# Altium PCB 20240807_Carrier.PcbDoc (part 1 of 2)
Units mm, origin at the board's own origin, x right, y up, seen from the top; angles counter-clockwise.
Board outline 112 x 70 mm, 2 copper layers (Top Layer, Bottom Layer), stack 0.87 mm thick; 160 components, 68 nets, 478 pads, 471 vias.
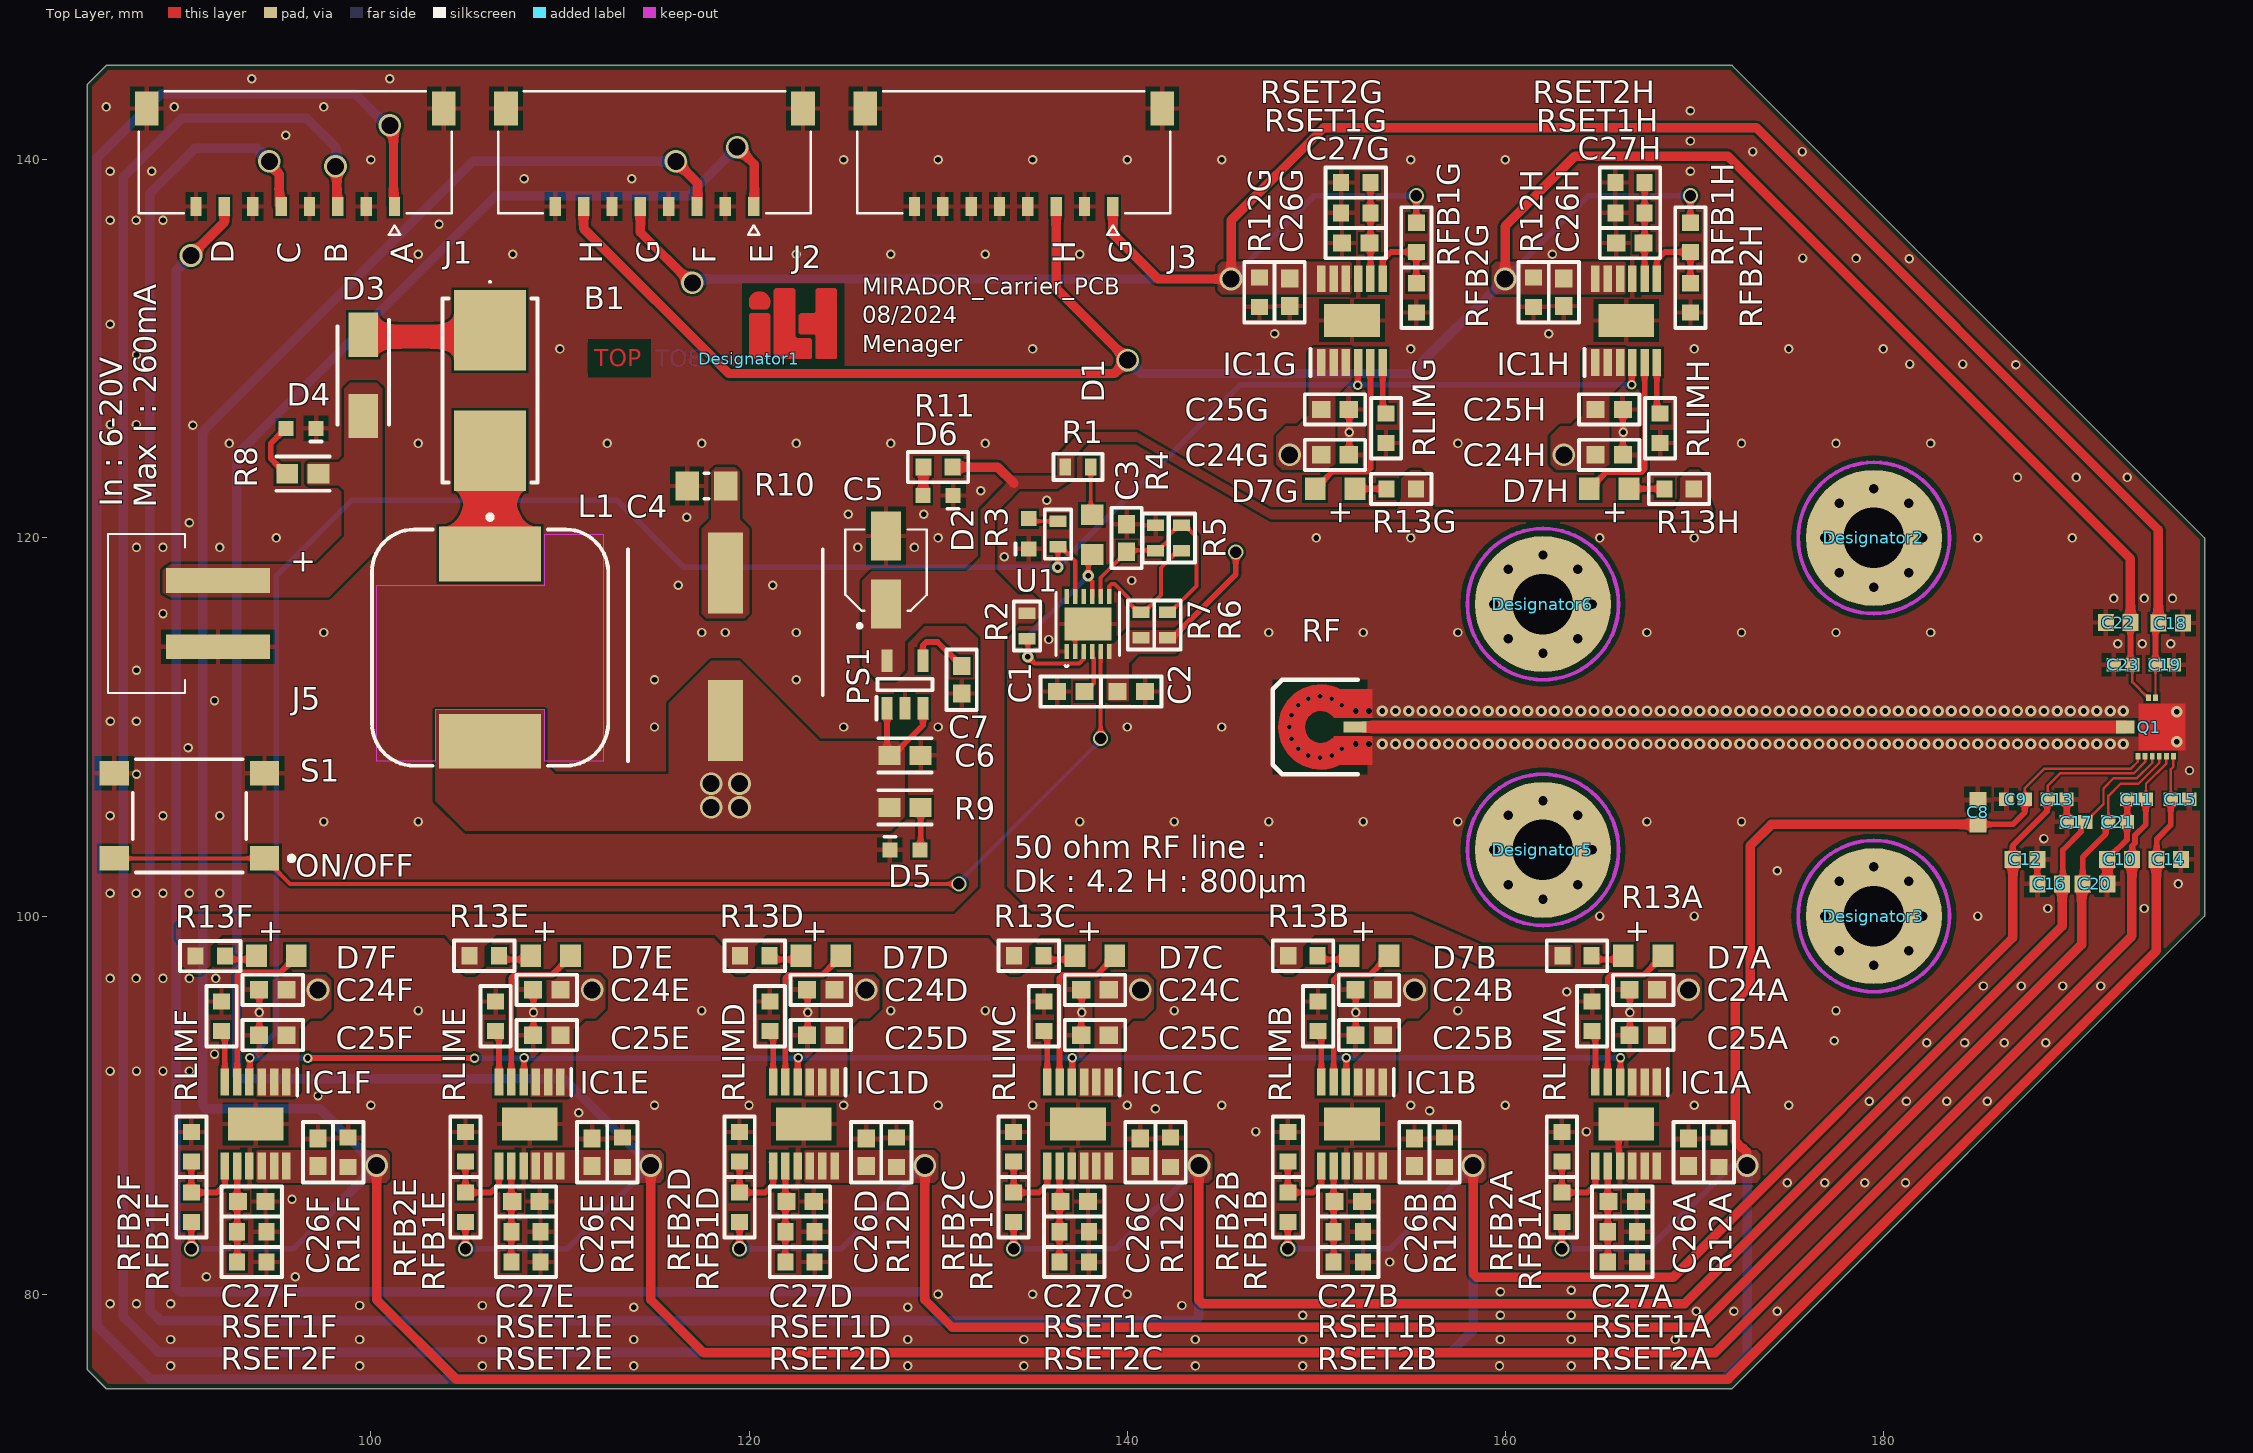
[diagram p0: Top Layer view]
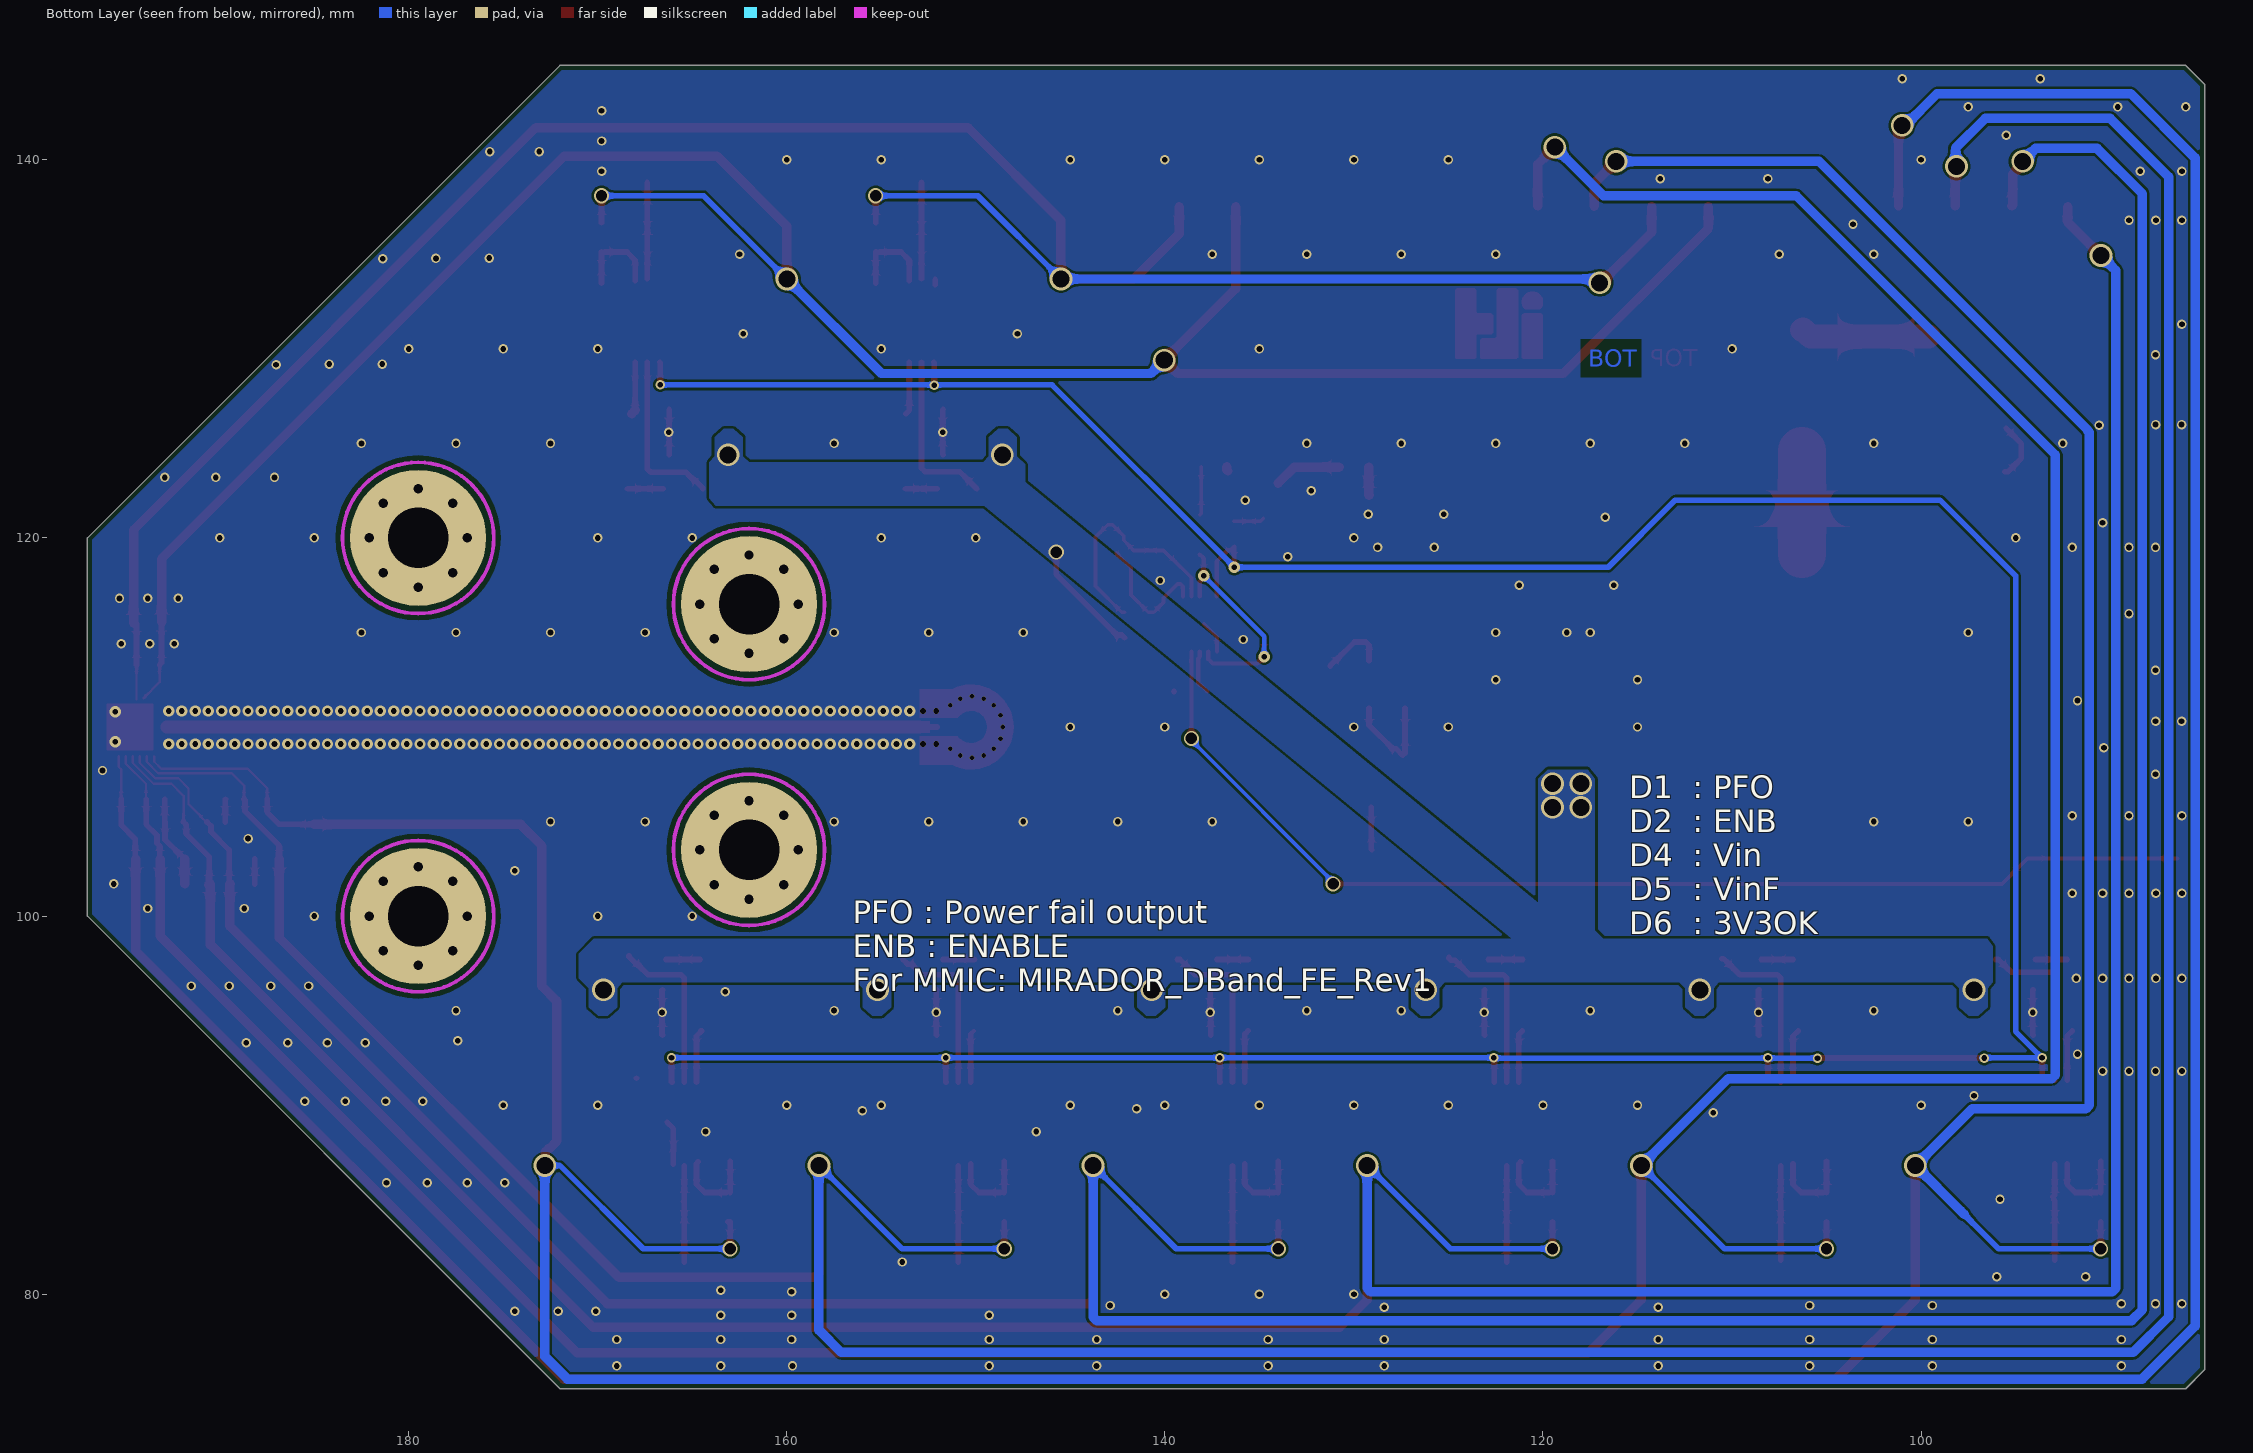
[diagram p1: Bottom Layer view, seen from below]
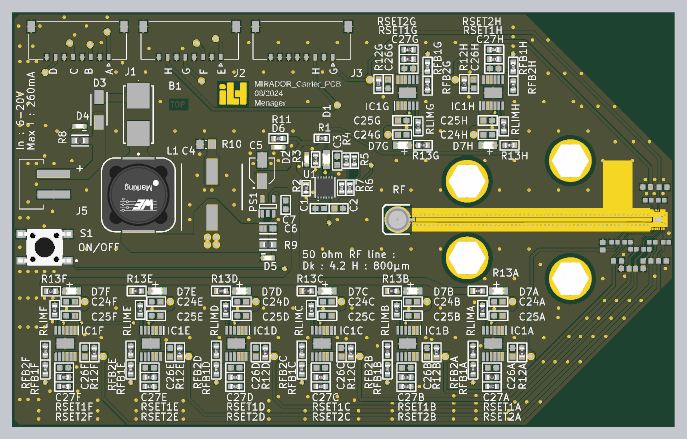
[diagram p3: 3D render of the assembled board from above, using the file's embedded part models]

## Layer stack, top to bottom
Top Solder: solder mask 0.0102, Solder Resist, Dk 3.5
Top Layer: signal copper 0.035
Dielectric 1: dielectric 0.8, FR-4, Dk 4.2
Bottom Layer: signal copper 0.035
Bottom Solder: solder mask 0.0102, Solder Resist, Dk 3.5

## Board outline
86,75 172,75 197,100 197,120 172,145 86,145 85,144 85,76

## Design rules (kind name [scope] priority, off if disabled: settings)
BoardOutlineClearance BoardOutlineClearance_1 [All] p1: gap=0.254 ignorepadtopadclearanceinfootprint=FALSE except(0: Arc-SplitContinuation Track-SplitContinuation SMDPad-SplitContinuation THPad-SplitContinuation Via-SplitContinuation Fill-SplitContinuation Poly-SplitContinuation Region-SplitContinuation Text-SplitContinuation)
Clearance Clearance_1 [InNet('J1-1') And OnMid vs OnMid] p1: gap=0.125 ignorepadtopadclearanceinfootprint=FALSE except(0.1: Arc-SMDPad Track-SMDPad SMDPad-SMDPad SMDPad-Text) sourcerule=78 cellrowname=J1-1 cellrowtype=1 cellcolname=All cellcoltype=0 innerlayers=TRUE
Clearance Clearance_2 [InNet('J1-1') And (ExistsOnLayer('Top Layer') Or ExistsOnLayer('Bottom Layer')) vs (ExistsOnLayer('Top Layer') Or ExistsOnLayer('Bottom Layer'))] p2: gap=0.125 ignorepadtopadclearanceinfootprint=FALSE except(0.1: Arc-SMDPad Track-SMDPad SMDPad-SMDPad SMDPad-Text) sourcerule=78 cellrowname=J1-1 cellrowtype=1 cellcolname=All cellcoltype=0 outerlayers=TRUE
Clearance Clearance_3 [InNet('J1-1')] p3: gap=0.254 ignorepadtopadclearanceinfootprint=FALSE sourcerule=78 cellrowname=J1-1 cellrowtype=1 cellcolname=All cellcoltype=0
Clearance Clearance_1 [InNet('J1-3') And OnMid vs OnMid] p4: gap=0.125 ignorepadtopadclearanceinfootprint=FALSE except(0.1: Arc-SMDPad Track-SMDPad SMDPad-SMDPad SMDPad-Text) sourcerule=78 cellrowname=J1-3 cellrowtype=1 cellcolname=All cellcoltype=0 innerlayers=TRUE
Clearance Clearance_2 [InNet('J1-3') And (ExistsOnLayer('Top Layer') Or ExistsOnLayer('Bottom Layer')) vs (ExistsOnLayer('Top Layer') Or ExistsOnLayer('Bottom Layer'))] p5: gap=0.125 ignorepadtopadclearanceinfootprint=FALSE except(0.1: Arc-SMDPad Track-SMDPad SMDPad-SMDPad SMDPad-Text) sourcerule=78 cellrowname=J1-3 cellrowtype=1 cellcolname=All cellcoltype=0 outerlayers=TRUE
Clearance Clearance_3 [InNet('J1-3')] p6: gap=0.254 ignorepadtopadclearanceinfootprint=FALSE sourcerule=78 cellrowname=J1-3 cellrowtype=1 cellcolname=All cellcoltype=0
Clearance Clearance_1 [InNet('J1-5') And OnMid vs OnMid] p7: gap=0.125 ignorepadtopadclearanceinfootprint=FALSE except(0.1: Arc-SMDPad Track-SMDPad SMDPad-SMDPad SMDPad-Text) sourcerule=78 cellrowname=J1-5 cellrowtype=1 cellcolname=All cellcoltype=0 innerlayers=TRUE
Clearance Clearance_2 [InNet('J1-5') And (ExistsOnLayer('Top Layer') Or ExistsOnLayer('Bottom Layer')) vs (ExistsOnLayer('Top Layer') Or ExistsOnLayer('Bottom Layer'))] p8: gap=0.125 ignorepadtopadclearanceinfootprint=FALSE except(0.1: Arc-SMDPad Track-SMDPad SMDPad-SMDPad SMDPad-Text) sourcerule=78 cellrowname=J1-5 cellrowtype=1 cellcolname=All cellcoltype=0 outerlayers=TRUE
Clearance Clearance_3 [InNet('J1-5')] p9: gap=0.254 ignorepadtopadclearanceinfootprint=FALSE sourcerule=78 cellrowname=J1-5 cellrowtype=1 cellcolname=All cellcoltype=0
Clearance Clearance_1 [InNet('J1-7') And OnMid vs OnMid] p10: gap=0.125 ignorepadtopadclearanceinfootprint=FALSE except(0.1: Arc-SMDPad Track-SMDPad SMDPad-SMDPad SMDPad-Text) sourcerule=78 cellrowname=J1-7 cellrowtype=1 cellcolname=All cellcoltype=0 innerlayers=TRUE
Clearance Clearance_2 [InNet('J1-7') And (ExistsOnLayer('Top Layer') Or ExistsOnLayer('Bottom Layer')) vs (ExistsOnLayer('Top Layer') Or ExistsOnLayer('Bottom Layer'))] p11: gap=0.125 ignorepadtopadclearanceinfootprint=FALSE except(0.1: Arc-SMDPad Track-SMDPad SMDPad-SMDPad SMDPad-Text) sourcerule=78 cellrowname=J1-7 cellrowtype=1 cellcolname=All cellcoltype=0 outerlayers=TRUE
Clearance Clearance_3 [InNet('J1-7')] p12: gap=0.254 ignorepadtopadclearanceinfootprint=FALSE sourcerule=78 cellrowname=J1-7 cellrowtype=1 cellcolname=All cellcoltype=0
Clearance Clearance_1 [InNet('J2-1') And OnMid vs OnMid] p13: gap=0.125 ignorepadtopadclearanceinfootprint=FALSE except(0.1: Arc-SMDPad Track-SMDPad SMDPad-SMDPad SMDPad-Text) sourcerule=78 cellrowname=J2-1 cellrowtype=1 cellcolname=All cellcoltype=0 innerlayers=TRUE
Clearance Clearance_2 [InNet('J2-1') And (ExistsOnLayer('Top Layer') Or ExistsOnLayer('Bottom Layer')) vs (ExistsOnLayer('Top Layer') Or ExistsOnLayer('Bottom Layer'))] p14: gap=0.125 ignorepadtopadclearanceinfootprint=FALSE except(0.1: Arc-SMDPad Track-SMDPad SMDPad-SMDPad SMDPad-Text) sourcerule=78 cellrowname=J2-1 cellrowtype=1 cellcolname=All cellcoltype=0 outerlayers=TRUE
Clearance Clearance_3 [InNet('J2-1')] p15: gap=0.254 ignorepadtopadclearanceinfootprint=FALSE sourcerule=78 cellrowname=J2-1 cellrowtype=1 cellcolname=All cellcoltype=0
Clearance Clearance_1 [InNet('J2-3') And OnMid vs OnMid] p16: gap=0.125 ignorepadtopadclearanceinfootprint=FALSE except(0.1: Arc-SMDPad Track-SMDPad SMDPad-SMDPad SMDPad-Text) sourcerule=78 cellrowname=J2-3 cellrowtype=1 cellcolname=All cellcoltype=0 innerlayers=TRUE
Clearance Clearance_2 [InNet('J2-3') And (ExistsOnLayer('Top Layer') Or ExistsOnLayer('Bottom Layer')) vs (ExistsOnLayer('Top Layer') Or ExistsOnLayer('Bottom Layer'))] p17: gap=0.125 ignorepadtopadclearanceinfootprint=FALSE except(0.1: Arc-SMDPad Track-SMDPad SMDPad-SMDPad SMDPad-Text) sourcerule=78 cellrowname=J2-3 cellrowtype=1 cellcolname=All cellcoltype=0 outerlayers=TRUE
Clearance Clearance_3 [InNet('J2-3')] p18: gap=0.254 ignorepadtopadclearanceinfootprint=FALSE sourcerule=78 cellrowname=J2-3 cellrowtype=1 cellcolname=All cellcoltype=0
Clearance Clearance_1 [InNet('J2-5') And OnMid vs OnMid] p19: gap=0.125 ignorepadtopadclearanceinfootprint=FALSE except(0.1: Arc-SMDPad Track-SMDPad SMDPad-SMDPad SMDPad-Text) sourcerule=78 cellrowname=J2-5 cellrowtype=1 cellcolname=All cellcoltype=0 innerlayers=TRUE
Clearance Clearance_2 [InNet('J2-5') And (ExistsOnLayer('Top Layer') Or ExistsOnLayer('Bottom Layer')) vs (ExistsOnLayer('Top Layer') Or ExistsOnLayer('Bottom Layer'))] p20: gap=0.125 ignorepadtopadclearanceinfootprint=FALSE except(0.1: Arc-SMDPad Track-SMDPad SMDPad-SMDPad SMDPad-Text) sourcerule=78 cellrowname=J2-5 cellrowtype=1 cellcolname=All cellcoltype=0 outerlayers=TRUE
Clearance Clearance_3 [InNet('J2-5')] p21: gap=0.254 ignorepadtopadclearanceinfootprint=FALSE sourcerule=78 cellrowname=J2-5 cellrowtype=1 cellcolname=All cellcoltype=0
Clearance Clearance_1 [InNet('J2-7') And OnMid vs OnMid] p22: gap=0.125 ignorepadtopadclearanceinfootprint=FALSE except(0.1: Arc-SMDPad Track-SMDPad SMDPad-SMDPad SMDPad-Text) sourcerule=78 cellrowname=J2-7 cellrowtype=1 cellcolname=All cellcoltype=0 innerlayers=TRUE
Clearance Clearance_2 [InNet('J2-7') And (ExistsOnLayer('Top Layer') Or ExistsOnLayer('Bottom Layer')) vs (ExistsOnLayer('Top Layer') Or ExistsOnLayer('Bottom Layer'))] p23: gap=0.125 ignorepadtopadclearanceinfootprint=FALSE except(0.1: Arc-SMDPad Track-SMDPad SMDPad-SMDPad SMDPad-Text) sourcerule=78 cellrowname=J2-7 cellrowtype=1 cellcolname=All cellcoltype=0 outerlayers=TRUE
Clearance Clearance_3 [InNet('J2-7')] p24: gap=0.254 ignorepadtopadclearanceinfootprint=FALSE sourcerule=78 cellrowname=J2-7 cellrowtype=1 cellcolname=All cellcoltype=0
Clearance Clearance_1 [OnMid vs OnMid] p25: gap=0.125 ignorepadtopadclearanceinfootprint=FALSE sourcerule=78 cellrowname=All cellrowtype=0 cellcolname=All cellcoltype=0 innerlayers=TRUE
Clearance Clearance_2 [(ExistsOnLayer('Top Layer') Or ExistsOnLayer('Bottom Layer')) vs (ExistsOnLayer('Top Layer') Or ExistsOnLayer('Bottom Layer'))] p26: gap=0.125 ignorepadtopadclearanceinfootprint=FALSE sourcerule=78 cellrowname=All cellrowtype=0 cellcolname=All cellcoltype=0 outerlayers=TRUE
Clearance [All] p27: gap=0.254 ignorepadtopadclearanceinfootprint=FALSE ismatrix=TRUE miname0=J2-3 mitype0=1 miname1=J1-5 mitype1=1 miname2=J1-3 mitype2=1 miname3=J1-1 mitype3=1 miname4=J2-1 mitype4=1 miname5=J2-7 mitype5=1 miname6=J2-5 mitype6=1 miname7=J1-7 mitype7=1
ComponentClearance [All] p1: gap=0.2 collisioncheckmode=3 verticalgap=0.254 showdistances=FALSE
DiffPairsRouting [All] p1: maxlimit=0.254 minlimit=0.2 mostfreqgap=0.254 toplayer_minwidth=0.381 toplayer_maxwidth=0.381 toplayer_prefwidth=0.381 bottomlayer_minwidth=0.381 bottomlayer_maxwidth=0.381 bottomlayer_prefwidth=0.381 maxuncoupledlength=12.7
FanoutControl Fanout_Default [All] p1: bgadir=Out bgaviamode=Centered fanoutstyle=Auto fanoutdirection=Alternating viagrid=0.025 // Fanout_Default (Default Rule)
FanoutControl Fanout_Small [(CompPinCount < 5)] p2: bgadir=Out bgaviamode=Centered fanoutstyle=Auto fanoutdirection=OutThenIn viagrid=0.025 // Fanout_Small (Default Rule)
FanoutControl Fanout_LCC [IsLCC] p4: bgadir=Out bgaviamode=Centered fanoutstyle=Auto fanoutdirection=Alternating viagrid=0.025 // Fanout_LCC (Default Rule)
FanoutControl Fanout_BGA [IsBGA] p5: bgadir=Out bgaviamode=Centered fanoutstyle=Auto fanoutdirection=Alternating viagrid=0.025 // Fanout_BGA (Default Rule)
HoleSize [All] p1: absolutevalues=TRUE maxlimit=4 minlimit=0.02 maxpercent=80.000 minpercent=20.000
HoleToHoleClearance [All] p1: gap=0.2 allowstackedmicrovias=TRUE
MinimumSolderMaskSliver [All] p1: minsoldermaskwidth=0.1
PasteMaskExpansion [All] p1: expansion=0 percent=-20.000000
PolygonConnect PolygonConnectStyle_1 [InNet('J2-3')] p1: connectstyle=Direct reliefconductorwidth=0.254 reliefentries=4 polygonreliefangle="90 Angle" airgapwidth=0.254
PolygonConnect PolygonConnectStyle_2 [InNet('J1-1')] p2: connectstyle=Direct reliefconductorwidth=0.254 reliefentries=4 polygonreliefangle="90 Angle" airgapwidth=0.254
PolygonConnect PolygonConnectStyle_3 [InNet('J1-3')] p3: connectstyle=Direct reliefconductorwidth=0.254 reliefentries=4 polygonreliefangle="90 Angle" airgapwidth=0.254
PolygonConnect PolygonConnectStyle_4 [InNet('J1-5')] p4: connectstyle=Direct reliefconductorwidth=0.254 reliefentries=4 polygonreliefangle="90 Angle" airgapwidth=0.254
PolygonConnect PolygonConnectStyle_5 [InNet('J1-7')] p5: connectstyle=Direct reliefconductorwidth=0.254 reliefentries=4 polygonreliefangle="90 Angle" airgapwidth=0.254
PolygonConnect PolygonConnectStyle_6 [InNet('J2-1')] p6: connectstyle=Direct reliefconductorwidth=0.254 reliefentries=4 polygonreliefangle="90 Angle" airgapwidth=0.254
PolygonConnect PolygonConnectStyle_7 [InNet('J2-5')] p7: connectstyle=Direct reliefconductorwidth=0.254 reliefentries=4 polygonreliefangle="90 Angle" airgapwidth=0.254
PolygonConnect PolygonConnectStyle_8 [InNet('J2-7')] p8: connectstyle=Direct reliefconductorwidth=0.254 reliefentries=4 polygonreliefangle="90 Angle" airgapwidth=0.254
PolygonConnect PolygonConnectStyle_9 [InNet('VCC')] p9: connectstyle=Direct reliefconductorwidth=0.254 reliefentries=4 polygonreliefangle="90 Angle" airgapwidth=0.254
PolygonConnect PolygonConnectStyle_10 [InNet('3V3')] p10: connectstyle=Direct reliefconductorwidth=0.254 reliefentries=4 polygonreliefangle="90 Angle" airgapwidth=0.254
PolygonConnect PolygonConnectStyle_11 [InNet('NetC4_2')] p11: connectstyle=Direct reliefconductorwidth=0.254 reliefentries=4 polygonreliefangle="90 Angle" airgapwidth=0.254
PolygonConnect PolygonConnectStyle_12 [InNet('NetB1_2')] p12: connectstyle=Direct reliefconductorwidth=0.254 reliefentries=4 polygonreliefangle="90 Angle" airgapwidth=0.254
PolygonConnect PolygonConnectStyle_13 [InNet('NetD3_2')] p13: connectstyle=Direct reliefconductorwidth=0.254 reliefentries=4 polygonreliefangle="90 Angle" airgapwidth=0.254
PolygonConnect PolygonConnectStyle_14 [InNet('GND')] p14: thpad.connectstyle=Relief thpad.reliefconductorwidth=0.254 thpad.reliefentries=4 thpad.polygonreliefangle="90 Angle" thpad.airgapwidth=0.254 thpad.conductorbypadedge=TRUE thpad.mindistance=0.381 thpad.enablemindistance=FALSE smdpad.connectstyle=Relief smdpad.reliefconductorwidth=0.254 smdpad.reliefentries=4 smdpad.polygonreliefangle="90 Angle" smdpad.airgapwidth=0.254 via.connectstyle=Direct via.reliefconductorwidth=0.254 via.reliefentries=4 via.polygonreliefangle="90 Angle" via.airgapwidth=0.254
PolygonConnect [All] p15: connectstyle=Relief reliefconductorwidth=0.254 reliefentries=4 polygonreliefangle="90 Angle" airgapwidth=0.254
RoutingVias [All] p1: holewidth=0.711 width=1.27 viastyle="Through Hole" minholewidth=0.711 minwidth=1.27 maxholewidth=0.711 maxwidth=1.27
SilkToSilkClearance [All] p1: silktosilkclearance=0.125
SilkToSolderMaskClearance [IsPad] p1: minsilkscreentomaskgap=0.125 clearancetoexposedcopper=TRUE
SolderMaskExpansion [All] p1: expansion=0.03 istentingtop=FALSE
SupplyNets "Schematic Supply Nets" [InNet('VCC')] p1: voltage=0.000
SupplyNets "Schematic Supply Nets_1" [InNet('3V3')] p2: voltage=0.000
SupplyNets "Schematic Supply Nets_2" [InNet('GND')] p3: voltage=0.000
UnRoutedNet [All] p1: checkbadconnections=TRUE
Width [All] p1: maxlimit=3 minlimit=0.125 preferedwidth=0.254 minimp=50.000000 maximp=50.000000 favimp=50.000000
17 further rules are at their usual default settings.

## Classes and differential pairs
channel class LDO: LDO1 LDO2 LDO3 LDO4 LDO5 LDO6 LDO7 LDO8
component class U_Pwr_entry: B1 C4 C5 C6 C7 D3 D5 D6 J5 L1 PS1 R8 R9 R10 R11 VIN
component class U_Molex_Conn: J1 J2 J3
component class U_IF_Supply: C8 C9 C10 C11 C12 C13 C14 C15 C16 C17 C18 C19 C20 C21 C22 C23 IF Q1 RF
component class U_Btn_Ctrl: C1 C2 C3 D1 D2 R1 R2 R3 R4 R5 R6 R7 S1 U1
component class LDO8: C24H C25H C26H C27H D7H IC1H R12H R13H RFB1H RFB2H RLIMH RSET1H RSET2H
component class LDO7: C24G C25G C26G C27G D7G IC1G R12G R13G RFB1G RFB2G RLIMG RSET1G RSET2G
component class LDO6: C24F C25F C26F C27F D7F IC1F R12F R13F RFB1F RFB2F RLIMF RSET1F RSET2F
component class LDO5: C24E C25E C26E C27E D7E IC1E R12E R13E RFB1E RFB2E RLIME RSET1E RSET2E
component class LDO4: C24D C25D C26D C27D D7D IC1D R12D R13D RFB1D RFB2D RLIMD RSET1D RSET2D
component class LDO3: C24C C25C C26C C27C D7C IC1C R12C R13C RFB1C RFB2C RLIMC RSET1C RSET2C
component class LDO2: C24B C25B C26B C27B D7B IC1B R12B R13B RFB1B RFB2B RLIMB RSET1B RSET2B
component class LDO1: C24A C25A C26A C27A D7A IC1A R12A R13A RFB1A RFB2A RLIMA RSET1A RSET2A

## Components (designator, comment, footprint, x,y, rotation, side; value= is the part's Value field where it differs from the comment)
B1 "01550900M" 01550900M 106.3,127.8 r270 top
C1 "Capacitor" FP-CL10-IPC_B 137.025,111.875 r0 top value=0µF
C2 "Capacitor" FP-CL10-IPC_B 140.227,111.875 r0 top value=0µF
C3 "100nF" FP-CL10-IPC_B 139.975,120 r90 top value=0µF
C4 "865080457015" CAPAE1030X1050L 118.75,114.25 r90 top
C5 "10SVP4R7M" CAP_10SVP4R7M 127.25,118.3 r90 top
C6 "GCG188L8EE105KA07D" FP-CL10-IPC_A 128.25,108.5 r0 top value=1µF
C7 "Capacitor" FP-CL10-IPC_B 131.25,112.5 r90 top value=470µF
C8 "06035C104KAT4A" CAPC1608X90X35LL15T15 185,105.5 r270 top value=100nF
C9 "CL05B104KO5NNNC" CAPC1050X55X23ML05T13 187,106.175 r0 top value=10nF
C10 "06035C104KAT4A" CAPC1608X90X35LL15T15 192.5,103 r0 top value=100nF
C11 "CL05B104KO5NNNC" CAPC1050X55X23ML05T13 193.4,106.175 r0 top value=10nF
C12 "06035C104KAT4A" CAPC1608X90X35LL15T15 187.5,103 r180 top value=100nF
C13 "CL05B104KO5NNNC" CAPC1050X55X23ML05T13 189.2,106.175 r180 top value=10nF
C14 "06035C104KAT4A" CAPC1608X90X35LL15T15 195.1,103 r180 top value=100nF
C15 "CL05B104KO5NNNC" CAPC1050X55X23ML05T13 195.7,106.175 r180 top value=10nF
C16 "06035C104KAT4A" CAPC1608X90X35LL15T15 188.8,101.7 r0 top value=100nF
C17 "CL05B104KO5NNNC" CAPC1050X55X23ML05T13 190.2,104.975 r0 top value=10nF
C18 "06035C104KAT4A" CAPC1608X90X35LL15T15 195.2,115.5 r180 top value=100nF
C19 "CL05B104KO5NNNC" CAPC1050X55X23ML05T13 194.89,113.3 r180 top value=10nF
C20 "06035C104KAT4A" CAPC1608X90X35LL15T15 191.2,101.7 r180 top value=100nF
C21 "CL05B104KO5NNNC" CAPC1050X55X23ML05T13 192.4,104.975 r180 top value=10nF
C22 "06035C104KAT4A" CAPC1608X90X35LL15T15 192.425,115.525 r0 top value=100nF
C23 "CL05B104KO5NNNC" CAPC1050X55X23ML05T13 192.685,113.3 r0 top value=10nF
C24A "Capacitor" FP-CL10-IPC_B 167.3,96.1 r0 top value=4.7µF (schematic designator C24)
C24B "Capacitor" FP-CL10-IPC_B 152.8,96.1 r0 top value=4.7µF (schematic designator C24)
C24C "Capacitor" FP-CL10-IPC_B 138.3,96.1 r0 top value=4.7µF (schematic designator C24)
C24D "Capacitor" FP-CL10-IPC_B 123.8,96.1 r0 top value=4.7µF (schematic designator C24)
C24E "Capacitor" FP-CL10-IPC_B 109.3,96.1 r0 top value=4.7µF (schematic designator C24)
C24F "Capacitor" FP-CL10-IPC_B 94.8,96.1 r0 top value=4.7µF (schematic designator C24)
C24G "Capacitor" FP-CL10-IPC_B 151,124.4 r180 top value=4.7µF (schematic designator C24)
C24H "Capacitor" FP-CL10-IPC_B 165.5,124.4 r180 top value=4.7µF (schematic designator C24)
C25A "Capacitor" FP-CL10-IPC_B 167.3,93.7 r0 top value=1µF (schematic designator C25)
C25B "Capacitor" FP-CL10-IPC_B 152.8,93.7 r0 top value=1µF (schematic designator C25)
C25C "Capacitor" FP-CL10-IPC_B 138.3,93.7 r0 top value=1µF (schematic designator C25)
C25D "Capacitor" FP-CL10-IPC_B 123.8,93.7 r0 top value=1µF (schematic designator C25)
C25E "Capacitor" FP-CL10-IPC_B 109.3,93.7 r0 top value=1µF (schematic designator C25)
C25F "Capacitor" FP-CL10-IPC_B 94.8,93.7 r0 top value=1µF (schematic designator C25)
C25G "Capacitor" FP-CL10-IPC_B 151,126.8 r180 top value=1µF (schematic designator C25)
C25H "Capacitor" FP-CL10-IPC_B 165.5,126.8 r180 top value=1µF (schematic designator C25)
C26A "Capacitor" FP-CL10-IPC_B 169.7,87.5 r270 top value=10µF (schematic designator C26)
C26B "Capacitor" FP-CL10-IPC_B 155.2,87.5 r270 top value=10µF (schematic designator C26)
C26C "Capacitor" FP-CL10-IPC_B 140.7,87.5 r270 top value=10µF (schematic designator C26)
C26D "Capacitor" FP-CL10-IPC_B 126.2,87.5 r270 top value=10µF (schematic designator C26)
C26E "Capacitor" FP-CL10-IPC_B 111.7,87.5 r270 top value=10µF (schematic designator C26)
C26F "Capacitor" FP-CL10-IPC_B 97.2,87.5 r270 top value=10µF (schematic designator C26)
C26G "Capacitor" FP-CL10-IPC_B 148.6,133 r90 top value=10µF (schematic designator C26)
C26H "Capacitor" FP-CL10-IPC_B 163.1,133 r90 top value=10µF (schematic designator C26)
C27A "Capacitor" FP-CL10-IPC_B 166.2,84.9 r180 top value=4.7µF (schematic designator C27)
C27B "Capacitor" FP-CL10-IPC_B 151.7,84.9 r180 top value=4.7µF (schematic designator C27)
C27C "Capacitor" FP-CL10-IPC_B 137.2,84.9 r180 top value=4.7µF (schematic designator C27)
C27D "Capacitor" FP-CL10-IPC_B 122.7,84.9 r180 top value=4.7µF (schematic designator C27)
C27E "Capacitor" FP-CL10-IPC_B 108.2,84.9 r180 top value=4.7µF (schematic designator C27)
C27F "Capacitor" FP-CL10-IPC_B 93.7,84.9 r180 top value=4.7µF (schematic designator C27)
C27G "Capacitor" FP-CL10-IPC_B 152.1,135.6 r0 top value=4.7µF (schematic designator C27)
C27H "Capacitor" FP-CL10-IPC_B 166.6,135.6 r0 top value=4.7µF (schematic designator C27)
D1 "150080SS75000" WL-SMCW_0805 138.15,120.175 r90 top
D2 "150060VS75000" WL-SMCW_0603_H=0.7mm 134.8,120.225 r90 top
D3 "SSA24" DIOM5227X250N 99.6,128.6 r270 top
D4 "150060VS75000" WL-SMCW_0603_H=0.7mm 96.3,125.8 r180 top
D5 "150060VS75000" WL-SMCW_0603_H=0.7mm 128.25,103.5 r0 top
D6 "150060VS75000" WL-SMCW_0603_H=0.7mm 130,122.25 r180 top
D7A "150080SS75000" WL-SMCW_0805 167.3,97.9 r180 top (schematic designator D7)
D7B "150080SS75000" WL-SMCW_0805 152.8,97.9 r180 top (schematic designator D7)
D7C "150080SS75000" WL-SMCW_0805 138.3,97.9 r180 top (schematic designator D7)
D7D "150080SS75000" WL-SMCW_0805 123.8,97.9 r180 top (schematic designator D7)
D7E "150080SS75000" WL-SMCW_0805 109.5,97.9 r180 top (schematic designator D7)
D7F "150080SS75000" WL-SMCW_0805 95,97.9 r180 top (schematic designator D7)
D7G "150080SS75000" WL-SMCW_0805 151,122.6 r0 top (schematic designator D7)
D7H "150080SS75000" WL-SMCW_0805 165.5,122.6 r0 top (schematic designator D7)
Designator1 "Comment" "ILH Logo" 120,129.468 r0 top
Designator2 "Comment" Schraub_M3_6mmCopper 179.5,120 r0 top
Designator3 "Comment" Schraub_M3_6mmCopper 179.5,100 r0 top
Designator5 "Comment" Schraub_M3_6mmCopper 162,103.5 r0 top
Designator6 "Comment" Schraub_M3_6mmCopper 162,116.5 r0 top
IC1A "LT3045IMSE#TRPBF" SOP65P490X110-13N 166.4,89 r270 top (schematic designator IC1)
IC1B "LT3045IMSE#TRPBF" SOP65P490X110-13N 151.9,89 r270 top (schematic designator IC1)
IC1C "LT3045IMSE#TRPBF" SOP65P490X110-13N 137.4,89 r270 top (schematic designator IC1)
IC1D "LT3045IMSE#TRPBF" SOP65P490X110-13N 122.9,89 r270 top (schematic designator IC1)
IC1E "LT3045IMSE#TRPBF" SOP65P490X110-13N 108.4,89 r270 top (schematic designator IC1)
IC1F "LT3045IMSE#TRPBF" SOP65P490X110-13N 93.9,89 r270 top (schematic designator IC1)
IC1G "LT3045IMSE#TRPBF" SOP65P490X110-13N 151.9,131.5 r90 top (schematic designator IC1)
IC1H "LT3045IMSE#TRPBF" SOP65P490X110-13N 166.4,131.5 r90 top (schematic designator IC1)
J1 "5040500891" MOLEX_5040500891 96,140.4 r0 top
J2 "5040500891" MOLEX_5040500891 115,140.4 r0 top
J3 "5040500891" MOLEX_5040500891 134,140.4 r0 top
J5 "2213932-2" 22139322 89,116 r90 top
L1 "47uH, 3.8A" WE-PD_1210 106.3,114.2 r180 top
PS1 "MIC5219-3.3YM5-TR" SOT95P280X145-5N 128.25,112.25 r90 top
Q1 "MIRADOR_DBand_FE_Rev1" MMIC_SMM-Footprint-1 194.975,109.625 r0 top locked
R1 "1K" R_10k_JLC 137.4,123.75 r180 top value=10k
R2 "DNI" R_10k_JLC 134.7,115.35 r90 top value=10k
R3 "10K" R_10k_JLC 136.35,120.2 r270 top value=10k
R4 "10K" R_10k_JLC 141.5,120 r90 top value=10k
R5 "0" R_10k_JLC 142.9,119.99 r270 top value=10k
R6 "18K" R_10k_JLC 142.125,115.4 r90 top value=10k
R7 "0" R_10k_JLC 140.725,115.4 r90 top value=10k
R8 "5K" FP-CR0603-IPC_A 96.4,123.4 r0 top
R9 "CR0603-JW-101ELF" FP-CR0603-IPC_A 128.25,105.75 r180 top value=5K
R10 "CRCW08050000Z0EA" RESC2013X50X30ML20T20 117.75,122.75 r0 top value=0
R11 "RC0603FR-071KL" "RESC1608X06N 0603 Medium Density" 130,123.75 r0 top value=1k
R12A "RC0603FR-071KL" "RESC1608X06N 0603 Medium Density" 171.3,87.5 r90 top value=1K (schematic designator R12)
R12B "RC0603FR-071KL" "RESC1608X06N 0603 Medium Density" 156.8,87.5 r90 top value=1K (schematic designator R12)
R12C "RC0603FR-071KL" "RESC1608X06N 0603 Medium Density" 142.3,87.5 r90 top value=1K (schematic designator R12)
R12D "RC0603FR-071KL" "RESC1608X06N 0603 Medium Density" 127.8,87.5 r90 top value=1K (schematic designator R12)
R12E "RC0603FR-071KL" "RESC1608X06N 0603 Medium Density" 113.3,87.5 r90 top value=1K (schematic designator R12)
R12F "RC0603FR-071KL" "RESC1608X06N 0603 Medium Density" 98.8,87.5 r90 top value=1K (schematic designator R12)
R12G "RC0603FR-071KL" "RESC1608X06N 0603 Medium Density" 147,133 r270 top value=1K (schematic designator R12)
R12H "RC0603FR-071KL" "RESC1608X06N 0603 Medium Density" 161.5,133 r270 top value=1K (schematic designator R12)
R13A "RC0603FR-071KL" "RESC1608X06N 0603 Medium Density" 163.8,97.9 r180 top value=1k (schematic designator R13)
R13B "RC0603FR-071KL" "RESC1608X06N 0603 Medium Density" 149.3,97.9 r180 top value=1k (schematic designator R13)
R13C "RC0603FR-071KL" "RESC1608X06N 0603 Medium Density" 134.8,97.9 r180 top value=1k (schematic designator R13)
R13D "RC0603FR-071KL" "RESC1608X06N 0603 Medium Density" 120.3,97.9 r180 top value=1k (schematic designator R13)
R13E "RC0603FR-071KL" "RESC1608X06N 0603 Medium Density" 106,97.9 r180 top value=1k (schematic designator R13)
R13F "RC0603FR-071KL" "RESC1608X06N 0603 Medium Density" 91.5,97.875 r180 top value=1k (schematic designator R13)
R13G "RC0603FR-071KL" "RESC1608X06N 0603 Medium Density" 154.5,122.6 r0 top value=1k (schematic designator R13)
R13H "RC0603FR-071KL" "RESC1608X06N 0603 Medium Density" 169.2,122.6 r0 top value=1k (schematic designator R13)
RF "smp-msld-pcs11t" SMP_FTP 150.2,110 r180 top locked
RFB1A "RC0603FR-071KL" "RESC1608X06N 0603 Medium Density" 163,84.6 r90 top value=TBD (schematic designator RPGFB1)
RFB1B "RC0603FR-071KL" "RESC1608X06N 0603 Medium Density" 148.5,84.6 r90 top value=TBD (schematic designator RPGFB1)
RFB1C "RC0603FR-071KL" "RESC1608X06N 0603 Medium Density" 134,84.6 r90 top value=TBD (schematic designator RPGFB1)
RFB1D "RC0603FR-071KL" "RESC1608X06N 0603 Medium Density" 119.5,84.6 r90 top value=TBD (schematic designator RPGFB1)
RFB1E "RC0603FR-071KL" "RESC1608X06N 0603 Medium Density" 105,84.6 r90 top value=TBD (schematic designator RPGFB1)
RFB1F "RC0603FR-071KL" "RESC1608X06N 0603 Medium Density" 90.5,84.6 r90 top value=TBD (schematic designator RPGFB1)
RFB1G "RC0603FR-071KL" "RESC1608X06N 0603 Medium Density" 155.3,135.9 r270 top value=TBD (schematic designator RPGFB1)
RFB1H "RC0603FR-071KL" "RESC1608X06N 0603 Medium Density" 169.8,135.9 r270 top value=TBD (schematic designator RPGFB1)
RFB2A "RC0603FR-071KL" "RESC1608X06N 0603 Medium Density" 163,87.8 r90 top value=TBD (schematic designator RPGFB2)
RFB2B "RC0603FR-071KL" "RESC1608X06N 0603 Medium Density" 148.5,87.8 r90 top value=TBD (schematic designator RPGFB2)
RFB2C "RC0603FR-071KL" "RESC1608X06N 0603 Medium Density" 134,87.8 r90 top value=TBD (schematic designator RPGFB2)
RFB2D "RC0603FR-071KL" "RESC1608X06N 0603 Medium Density" 119.5,87.8 r90 top value=TBD (schematic designator RPGFB2)
RFB2E "RC0603FR-071KL" "RESC1608X06N 0603 Medium Density" 105,87.8 r90 top value=TBD (schematic designator RPGFB2)
RFB2F "RC0603FR-071KL" "RESC1608X06N 0603 Medium Density" 90.5,87.8 r90 top value=TBD (schematic designator RPGFB2)
RFB2G "RC0603FR-071KL" "RESC1608X06N 0603 Medium Density" 155.3,132.7 r270 top value=TBD (schematic designator RPGFB2)
RFB2H "RC0603FR-071KL" "RESC1608X06N 0603 Medium Density" 169.8,132.7 r270 top value=TBD (schematic designator RPGFB2)
RLIMA "RC0603FR-071KL" "RESC1608X06N 0603 Medium Density" 164.6,94.7 r90 top value=TBD (schematic designator RLIM)
RLIMB "RC0603FR-071KL" "RESC1608X06N 0603 Medium Density" 150.1,94.7 r90 top value=TBD (schematic designator RLIM)
RLIMC "RC0603FR-071KL" "RESC1608X06N 0603 Medium Density" 135.6,94.7 r90 top value=TBD (schematic designator RLIM)
RLIMD "RC0603FR-071KL" "RESC1608X06N 0603 Medium Density" 121.1,94.7 r90 top value=TBD (schematic designator RLIM)
RLIME "RC0603FR-071KL" "RESC1608X06N 0603 Medium Density" 106.6,94.7 r90 top value=TBD (schematic designator RLIM)
RLIMF "RC0603FR-071KL" "RESC1608X06N 0603 Medium Density" 92.1,94.7 r90 top value=TBD (schematic designator RLIM)
RLIMG "RC0603FR-071KL" "RESC1608X06N 0603 Medium Density" 153.7,125.8 r270 top value=TBD (schematic designator RLIM)
RLIMH "RC0603FR-071KL" "RESC1608X06N 0603 Medium Density" 168.2,125.8 r270 top value=TBD (schematic designator RLIM)
RSET1A "RC0603FR-071KL" "RESC1608X06N 0603 Medium Density" 166.2,83.3 r0 top value=TBD (schematic designator RSET1)
RSET1B "RC0603FR-071KL" "RESC1608X06N 0603 Medium Density" 151.7,83.3 r0 top value=TBD (schematic designator RSET1)
RSET1C "RC0603FR-071KL" "RESC1608X06N 0603 Medium Density" 137.2,83.3 r0 top value=TBD (schematic designator RSET1)
RSET1D "RC0603FR-071KL" "RESC1608X06N 0603 Medium Density" 122.7,83.3 r0 top value=TBD (schematic designator RSET1)
RSET1E "RC0603FR-071KL" "RESC1608X06N 0603 Medium Density" 108.2,83.3 r0 top value=TBD (schematic designator RSET1)
RSET1F "RC0603FR-071KL" "RESC1608X06N 0603 Medium Density" 93.7,83.3 r0 top value=TBD (schematic designator RSET1)
RSET1G "RC0603FR-071KL" "RESC1608X06N 0603 Medium Density" 152.1,137.2 r180 top value=TBD (schematic designator RSET1)
RSET1H "RC0603FR-071KL" "RESC1608X06N 0603 Medium Density" 166.6,137.2 r180 top value=TBD (schematic designator RSET1)
RSET2A "RC0603FR-071KL" "RESC1608X06N 0603 Medium Density" 166.2,81.7 r0 top value=TBD (schematic designator RSET2)
RSET2B "RC0603FR-071KL" "RESC1608X06N 0603 Medium Density" 151.7,81.7 r0 top value=TBD (schematic designator RSET2)
RSET2C "RC0603FR-071KL" "RESC1608X06N 0603 Medium Density" 137.2,81.7 r0 top value=TBD (schematic designator RSET2)
RSET2D "RC0603FR-071KL" "RESC1608X06N 0603 Medium Density" 122.7,81.7 r0 top value=TBD (schematic designator RSET2)
RSET2E "RC0603FR-071KL" "RESC1608X06N 0603 Medium Density" 108.2,81.7 r0 top value=TBD (schematic designator RSET2)
RSET2F "RC0603FR-071KL" "RESC1608X06N 0603 Medium Density" 93.7,81.7 r0 top value=TBD (schematic designator RSET2)
RSET2G "RC0603FR-071KL" "RESC1608X06N 0603 Medium Density" 152.1,138.8 r180 top value=TBD (schematic designator RSET2)
RSET2H "RC0603FR-071KL" "RESC1608X06N 0603 Medium Density" 166.6,138.8 r180 top value=TBD (schematic designator RSET2)
S1 "PTS645SH50SMTR92LFS" FP-PTS645SM43SMTR92LFS-MFG 90.4,105.3 r180 top
U1 "LTC2953IDD-1PBF" DFN-12_DD_LIT 137.925,115.45 r90 top

## Footprints (in the part's own frame and the unit in brackets; to place one, negate y for a bottom-side part, rotate by r counter-clockwise, add the part's x,y. Pads: shape width x height; smd on the part's side, far side on the other; paste and mask are expansions set on the pad)
01550900M [mm]
  rect 4.24x3.81 smd: 1(-3.19,0) 2(3.19,0)
  silkscreen extent -5.8,-2.51 4.86,2.51
22139322 [mm]
  rect 1.3x5.5 smd: 1(-1.75,-2.915) 2(1.75,-2.915)
  silkscreen extent -4.2,-1.16 4.2,2.92
CAP_10SVP4R7M [mm]
  rect 2.6x1.6 smd: 1(-1.8,0) 2(1.8,0)
  silkscreen extent -3.05,-2.15 2.15,2.15
CAPAE1030X1050L [mm]
  rect 4.3x1.85 smd: 1(-3.9,0) 2(3.9,0)
  silkscreen extent -6.05,-5.15 5.15,5.15
CAPC1050X55X23ML05T13 [mm] "Chip Capacitor, 2-Leads, Body 1.05x0.55mm, IPC Low Density"
  rect 0.76x0.72 smd: 1(-0.49,0) 2(0.49,0)
  body extent -0.53,-0.28 0.53,0.27, height 0.55
CAPC1608X90X35LL15T15 [mm] "Chip Capacitor, 2-Leads, Body 1.60x0.81mm, IPC High Density"
  rect 0.85x0.9 smd: 1(-0.65,0) 2(0.65,0)
  body extent -0.88,-0.48 0.87,0.48, height 0.9
DFN-12_DD_LIT [mm]
  rect 0.805x0.229 smd paste+0: 1(-1.452,1.125) 2(-1.452,0.675) 3(-1.452,0.225) 4(-1.452,-0.225) 5(-1.452,-0.675) 6(-1.452,-1.125) 7(1.452,-1.125) 8(1.452,-0.675) 9(1.452,-0.225) 10(1.452,0.225) 11(1.452,0.675) 12(1.452,1.125)
  rect 1.75x2.48 smd paste-0.3 mask+0: 13(0,0)
  silkscreen extent -2.26,-1.68 1.68,1.68, body extent -1.55,-1.55 1.55,1.55, height 0.8
DIOM5227X250N [mm]
  rect 2.35x1.55 smd: 1(-2.15,0) 2(2.15,0)
  silkscreen extent -2.93,-1.36 2.6,1.36
FP-CL10-IPC_A [mm] "CAP 0603 Low Density"
  rect 1.158x1.012 smd: 1(-0.827,0) 2(0.827,0)
  silkscreen extent -1.41,-0.91 1.41,0.91, body extent -1.91,-1.01 1.91,1.01, height 0.25
FP-CL10-IPC_B [mm] "CAP 0603 Medium Density"
  rect 0.958x0.912 smd: 1(-0.727,0) 2(0.727,0)
  silkscreen extent -1.6,-0.8 1.6,0.8, body extent -1.46,-0.71 1.46,0.71, height 0.25
FP-CR0603-IPC_A [mm]
  rect 1.158x1.012 smd paste+0 mask+0: 1(-0.827,0) 2(0.827,0)
  silkscreen extent -1.41,-0.91 1.41,0.91, body extent -1.91,-1.01 1.91,1.01, height 0.25
FP-PTS645SM43SMTR92LFS-MFG [mm]
  rect 1.55x1.3 smd paste+0 mask+0: 1(-3.975,2.25) 2(3.975,2.25) 3(-3.975,-2.25) 4(3.975,-2.25)
  silkscreen extent -5.53,-3 3,3, body extent -4.5,-3 4.5,3, height 5
"ILH Logo" [mm]
  Top Layer region: 0.737,3.531 0.813,3.531 0.838,3.505 0.864,3.48 0.889,3.48 1.016,3.353 1.016,3.327 1.067,3.277 1.067,3.226 1.092,3.2 1.092,3.15 1.118,3.124 1.118,2.896 1.092,2.87 1.092,2.794 1.067,2.769 1.041,2.743 1.041,2.718 0.965,2.642 0.152,2.642 0.076,2.718 0.076,2.743 0.051,2.769 0.025,2.794 0.025,2.87 0,2.896 0,3.124 0.025,3.15 0.025,3.2 0.051,3.226 0.051,3.277 0.102,3.327 0.102,3.353 0.229,3.48 0.254,3.48 0.305,3.531 0.381,3.531 0.406,3.556 0.711,3.556
  Top Layer region: 1.041,2.388 1.067,2.388 1.118,2.337 1.118,0.051 1.067,0 0.051,0 0.025,0.025 0.025,0.051 0,0.076 0,2.337 0.051,2.388 0.076,2.388 0.102,2.413 1.016,2.413
  Top Layer region: 2.438,3.658 2.438,1.194 2.54,1.092 3.251,1.092 3.327,1.016 3.327,0.051 3.277,0 1.397,0 1.321,0.076 1.321,3.638 1.416,3.734 2.362,3.734
  Top Layer region: 4.648,3.658 4.648,0.051 4.597,0 3.581,0 3.531,0.051 3.531,1.219 3.454,1.295 3.429,1.321 2.718,1.321 2.642,1.397 2.642,2.311 2.667,2.337 2.718,2.388 2.743,2.413 3.454,2.413 3.531,2.489 3.531,3.658 3.607,3.734 4.572,3.734
MMIC_SMM-Footprint-1 [mm]
  rect 0.254x0.35 smd paste-2539.97 mask+0.01: 1(0.375,-1.175) 2(0,-1.175) 3(-0.375,-1.175) 4(-0.75,-1.175) 5(-1.125,-1.175) 6(-1.5,-1.175) 7(-0.95,1.925) 8(-0.575,1.925)
  rect 1x0.67 smd paste-2539.97 mask+0: SIG(-2.175,0.375)
  Top Layer region: -1.475,-0.875 1.025,-0.875 1.025,1.625 -1.475,1.625
  Top Layer pour cut-out: -2.75,0.85 -2.75,-0.11 -1.475,-0.11 -1.475,0.85
  body extent -1.1,0 0,0.75, height 0.3
MOLEX_5040500891 [mm]
  rect 0.6x1 smd mask+0.076: 1(5.25,-2.87) 2(3.75,-2.87) 3(2.25,-2.87) 4(0.75,-2.87) 5(-0.75,-2.87) 6(-2.25,-2.87) 7(-3.75,-2.87) 8(-5.25,-2.87)
  rect 1.25x1.8 smd mask+0.076: S1(7.855,2.32) S2(-7.855,2.32)
  silkscreen extent -8.27,-4.37 8.27,3.22
R_10k_JLC [mm]
  rect 0.6x0.9 smd: 1(-0.681,-0.01) 2(0.669,-0.01)
  silkscreen extent -1.31,-0.71 1.29,0.69, body extent -0.81,-0.41 0.79,0.39, height 0.45
"RESC1608X06N 0603 Medium Density" [mm] "Chip Resistor, 2-Leads, Body 1,60x0,80mm, IPC Medium Density"
  rect 0.85x0.9 smd: 1(-0.775,0) 2(0.775,0)
  silkscreen extent -1.6,-0.8 1.6,0.8, body extent -0.8,-0.4 0.8,0.4, height 0.45
RESC2013X50X30ML20T20 [mm] "Chip Resistor, 2-Leads, Body 2.00x1.25mm, IPC Low Density"
  rect 1.25x1.55 smd: 1(-1.025,0) 2(1.025,0)
  silkscreen extent -0.1,-0.67 0.1,0.67, body extent -1.1,-0.72 1.1,0.72, height 0.5
Schraub_M3_6mmCopper [mm] "Anschraubpunkt, M3-Schraube"
  round 7.2 hole 3.2 mask+0: 1(0,0)
  Keep-Out Layer circle w0.2: c0,0 r4
  body extent -3.17,-2.75 3.17,2.75, height 4.4
SMP_FTP [mm]
  rect 1.21x0.6 smd paste-2539.97 mask-2539.97: 2(-1.855,0)
  Top Layer region: -2.775,-2 -2.775,-0.48 -0.757,-0.48 -0.433,-0.762 -0.014,-0.849 0.395,-0.721 0.69,-0.41 0.795,0.005 0.795,0.005 0.685,0.417 0.389,0.724 -0.018,0.849 -0.435,0.76 -0.756,0.479 -0.756,0.479 -2.775,0.479 -2.775,2.002 -1.082,2.002 0.028,2.248 1.116,1.921 1.906,1.104 2.195,0.005 2.195,0.005 1.909,-1.099 1.118,-1.921 0.026,-2.249 -1.087,-2 -1.087,-2
  Top Layer region: -2.775,-0.335 -2.775,0.335 -2.245,0.3 -2.245,-0.3
  Top Layer pour cut-out: -2.5,2.5 2.5,2.5 2.5,-2.5 -2.5,-2.5
  silkscreen extent -2,-2.5 2.5,2.5, body extent -2.9,-2.1 2.09,2.1, height 5.1
SOP65P490X110-13N [mm]
  rect 1.425x0.45 smd: 1(-2.212,1.625) 2(-2.212,0.975) 3(-2.212,0.325) 4(-2.212,-0.325) 5(-2.212,-0.975) 6(-2.212,-1.625) 7(2.212,-1.625) 8(2.212,-0.975) 9(2.212,-0.325) 10(2.212,0.325) 11(2.212,0.975) 12(2.212,1.625)
  rect 1.753x2.947 smd: 13(0,0)
  silkscreen extent -2.93,2.2 -1.5,2.2
SOT95P280X145-5N [mm]
  rect 1.2x0.6 smd: 1(-1.25,0.95) 2(-1.25,0) 3(-1.25,-0.95) 4(1.25,-0.95) 5(1.25,0.95)
  silkscreen extent -1.85,-1.45 0.3,1.5
WE-PD_1210 [mm] "SMT Shielded Power Inductor, 2-leads, body 12x12mm"
  rect 5.4x2.9 smd: 1(0,-4.95) 2(0,4.95)
  Top Layer keep-out region: -6,6 -2.9,6 -2.9,3.3 2.9,3.3 2.9,6 6,6 6,-3.3 2.9,-3.3 -2.9,-3.3 -2.9,-6 -6,-6
  silkscreen extent -6.25,-7.02 6.25,6.25, body extent -6,-6 6,6, height 9.46
WL-SMCW_0603_H=0.7mm [mm] "SMD Mono-color Chip LED, body 1.6x0.8mm"
  rect 0.8x0.8 smd: 1(-0.8,0) 2(0.8,0)
  silkscreen extent -1.1,0.7 -0.5,0.7, body extent -0.8,-0.4 0.8,0.4, height 0.7
WL-SMCW_0805 [mm] "SMD Mono-color Chip LED, body 2.0x1.25mm"
  rect 1.1x1.2 smd: 1(-1.05,0) 2(1.05,0)
  body extent -1,-0.63 1,0.62, height 0.7